# Altium PCB Gesturelink V1.PcbDoc (part 1 of 9)
Units mil, origin at the board's own origin, x right, y up, seen from the top; angles counter-clockwise.
Board outline 1574.8 x 1377.95 mil, 12 copper layers (SIG_1, GND_1, HI_SPEED_SIG_1, HI_SPEED_SIG_2, GND_2, PWR_1, PWR_2, GND_3, SIG_2, SIG_3, GND, SIG_4), stack 76.312 mil thick; 506 components, 440 nets, 2250 pads, 1330 vias.
Unrouted connection lines stored in the file: 20.
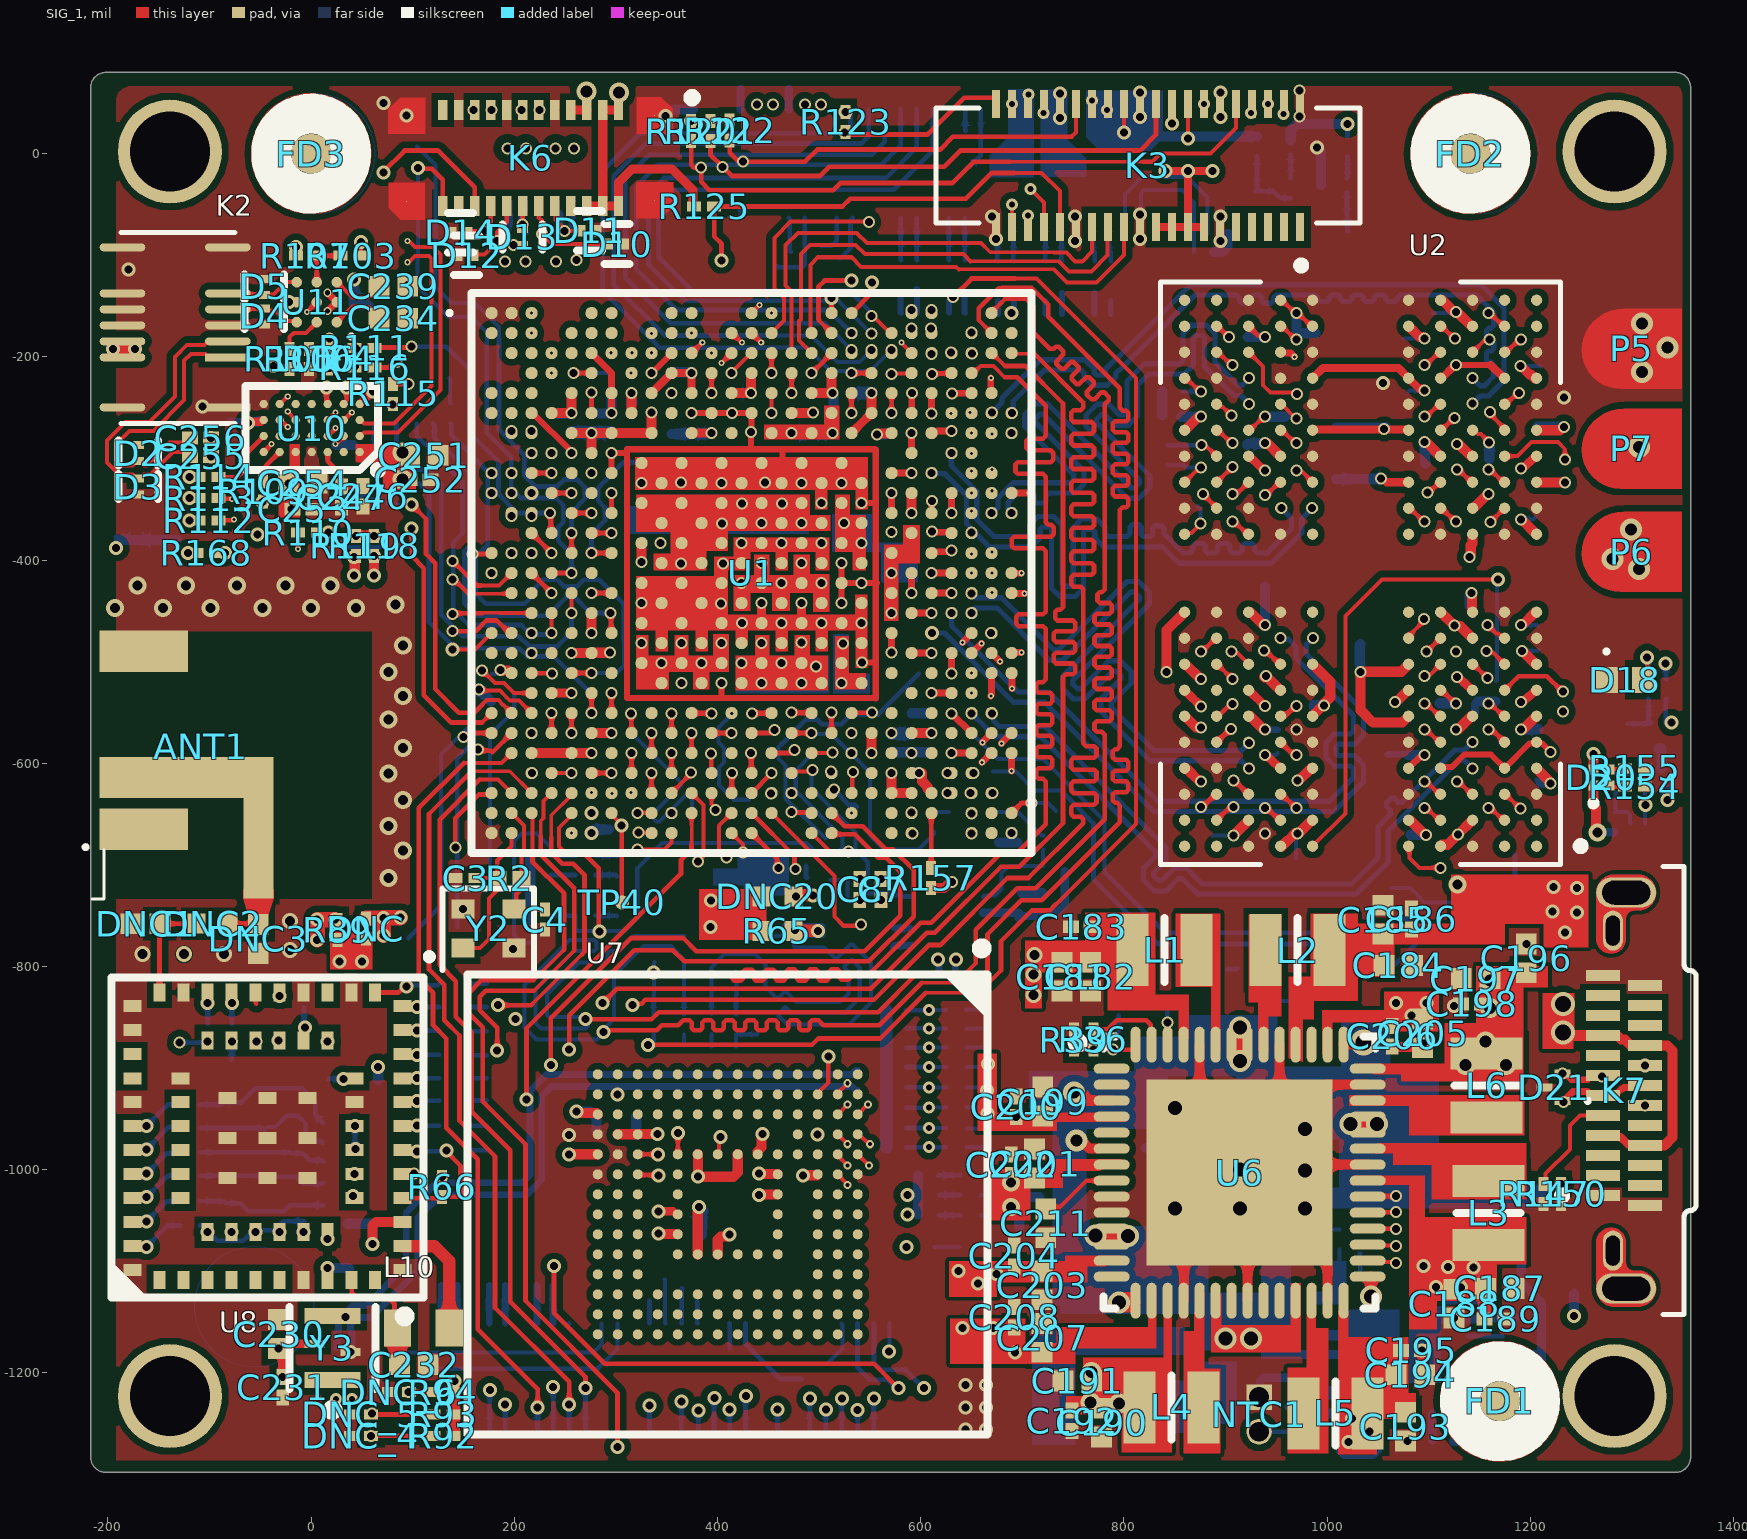
[diagram p0: SIG_1 view]
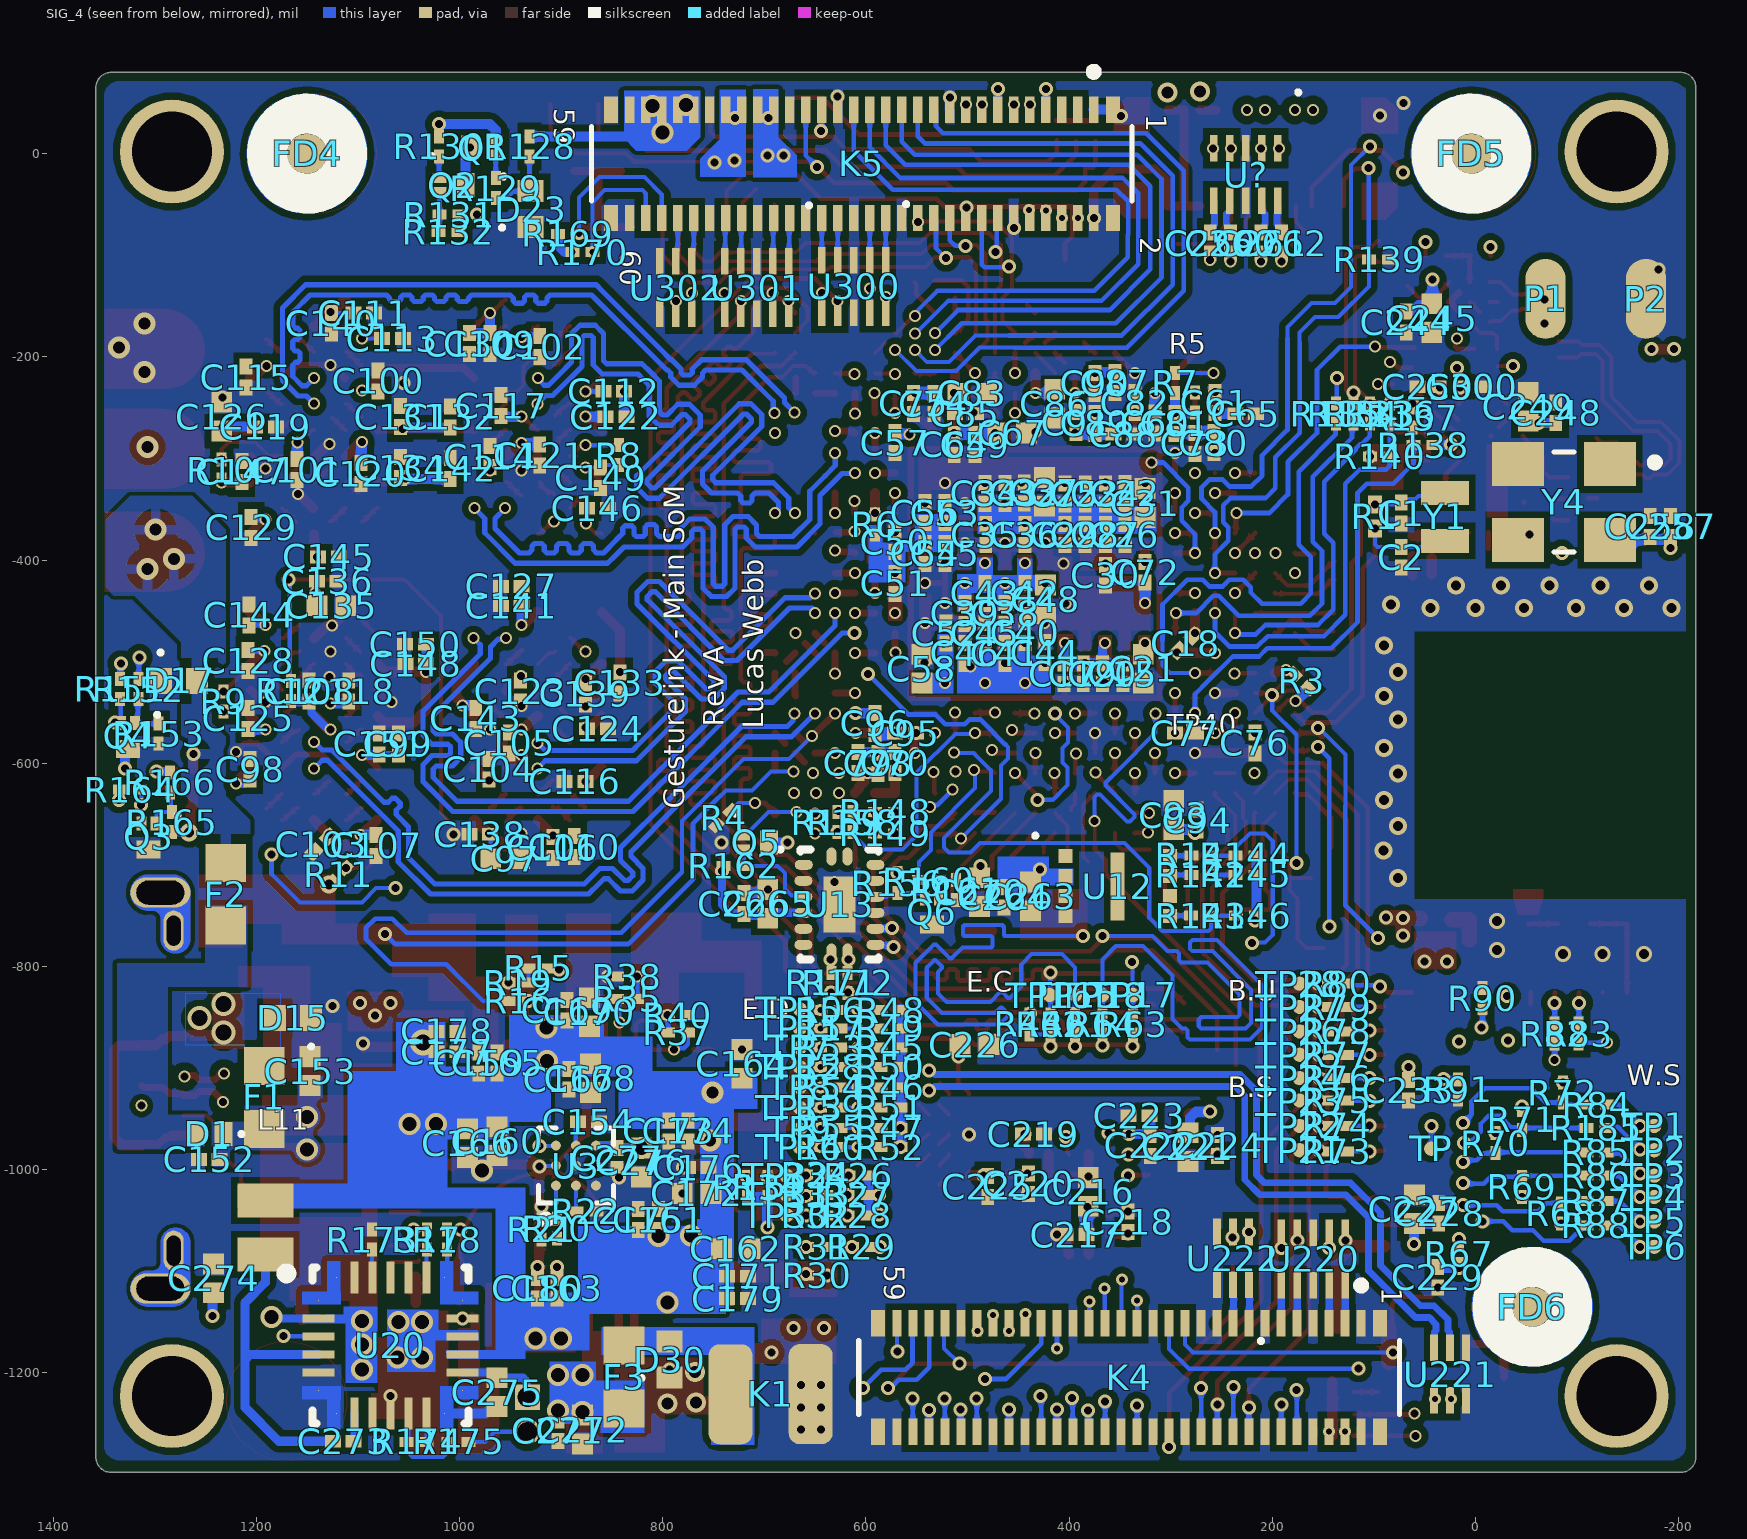
[diagram p1: SIG_4 view, seen from below]
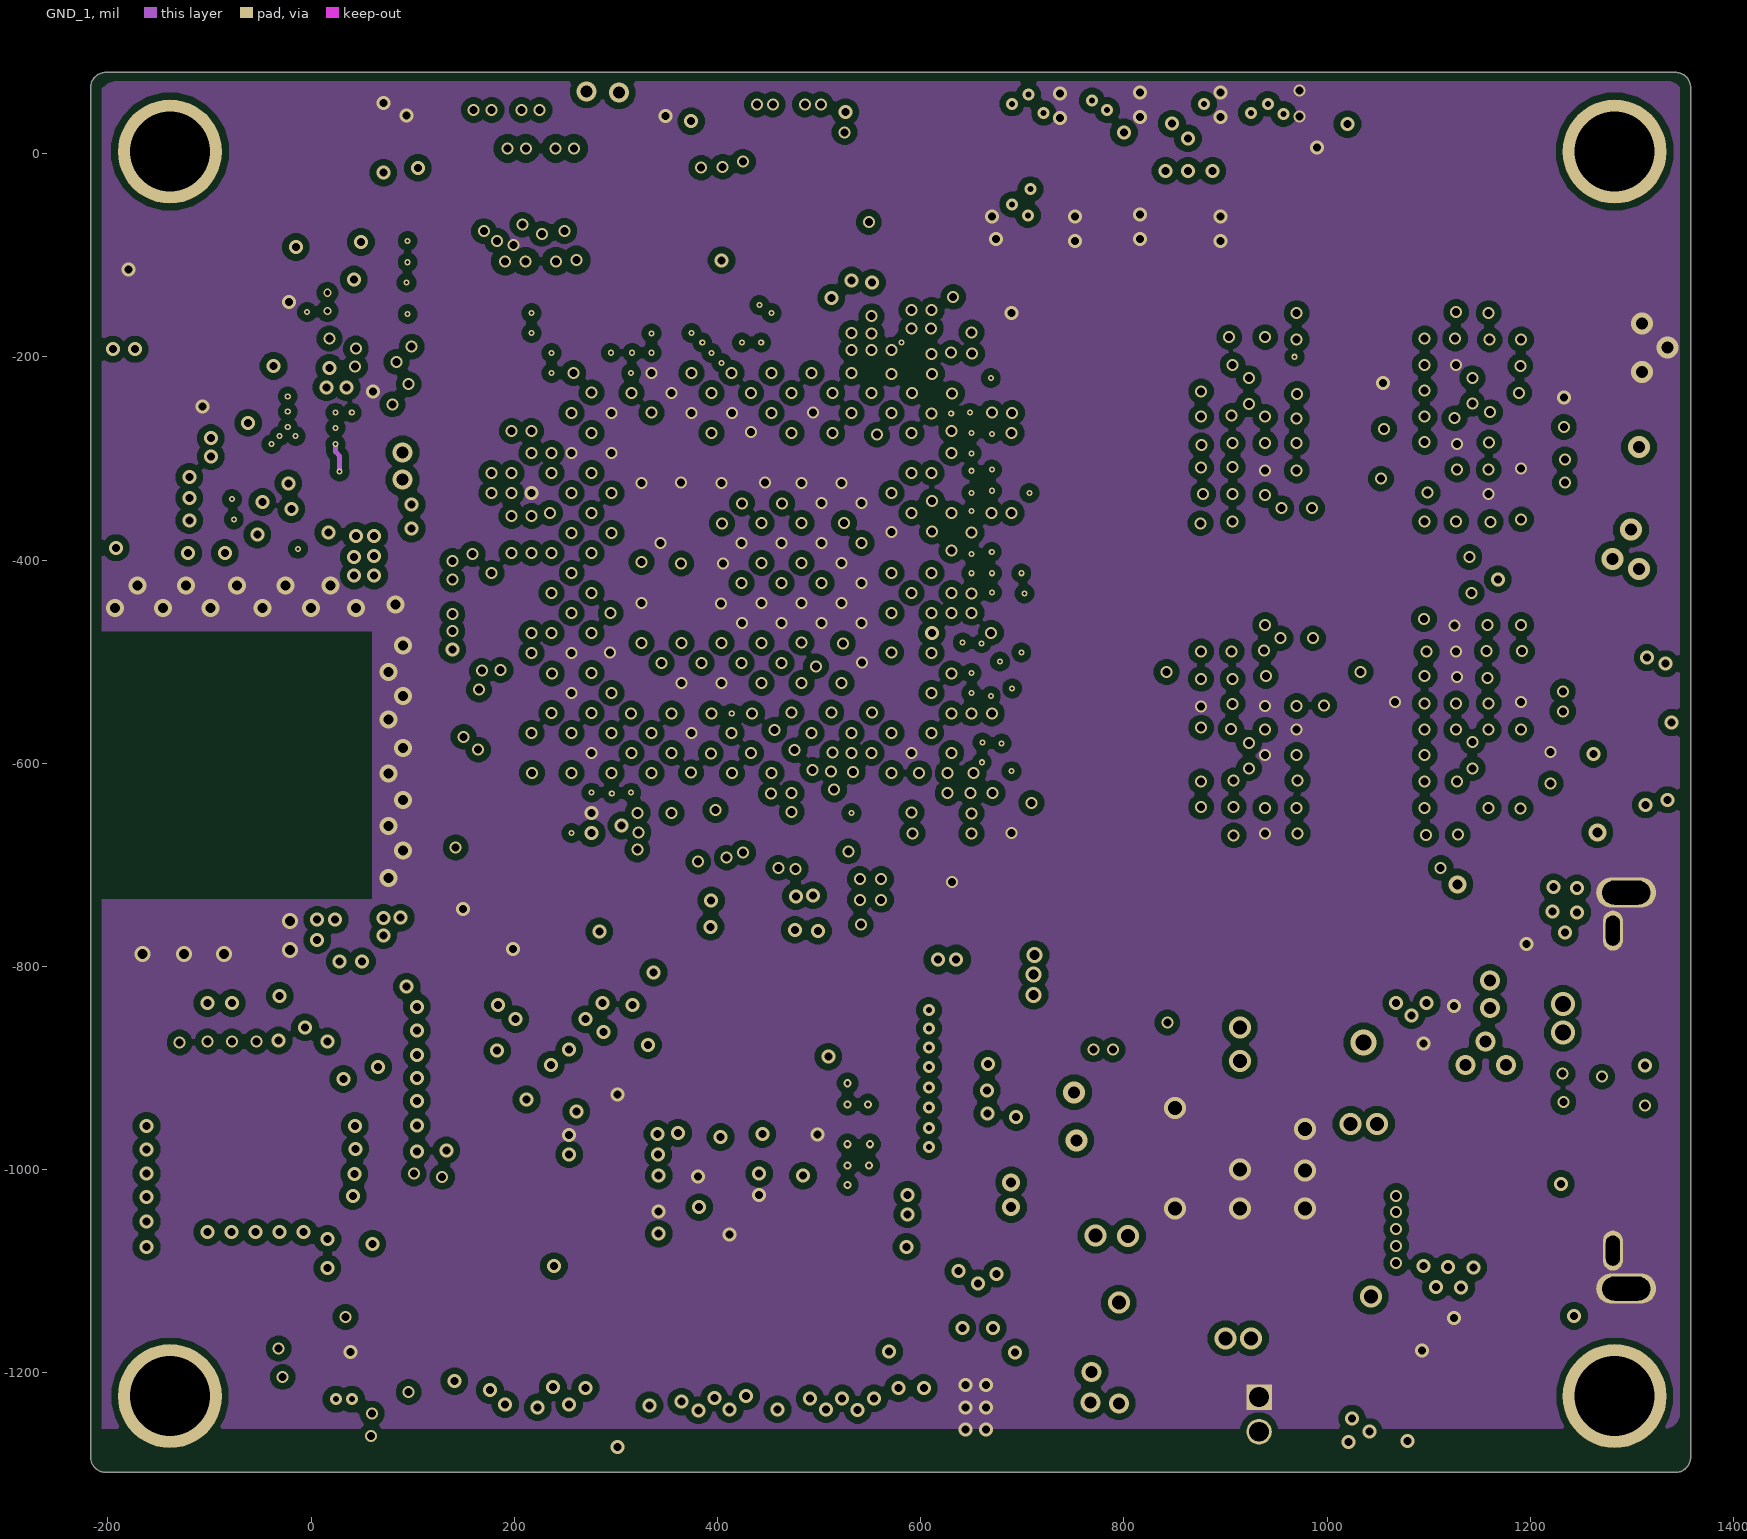
[diagram p2: GND_1]
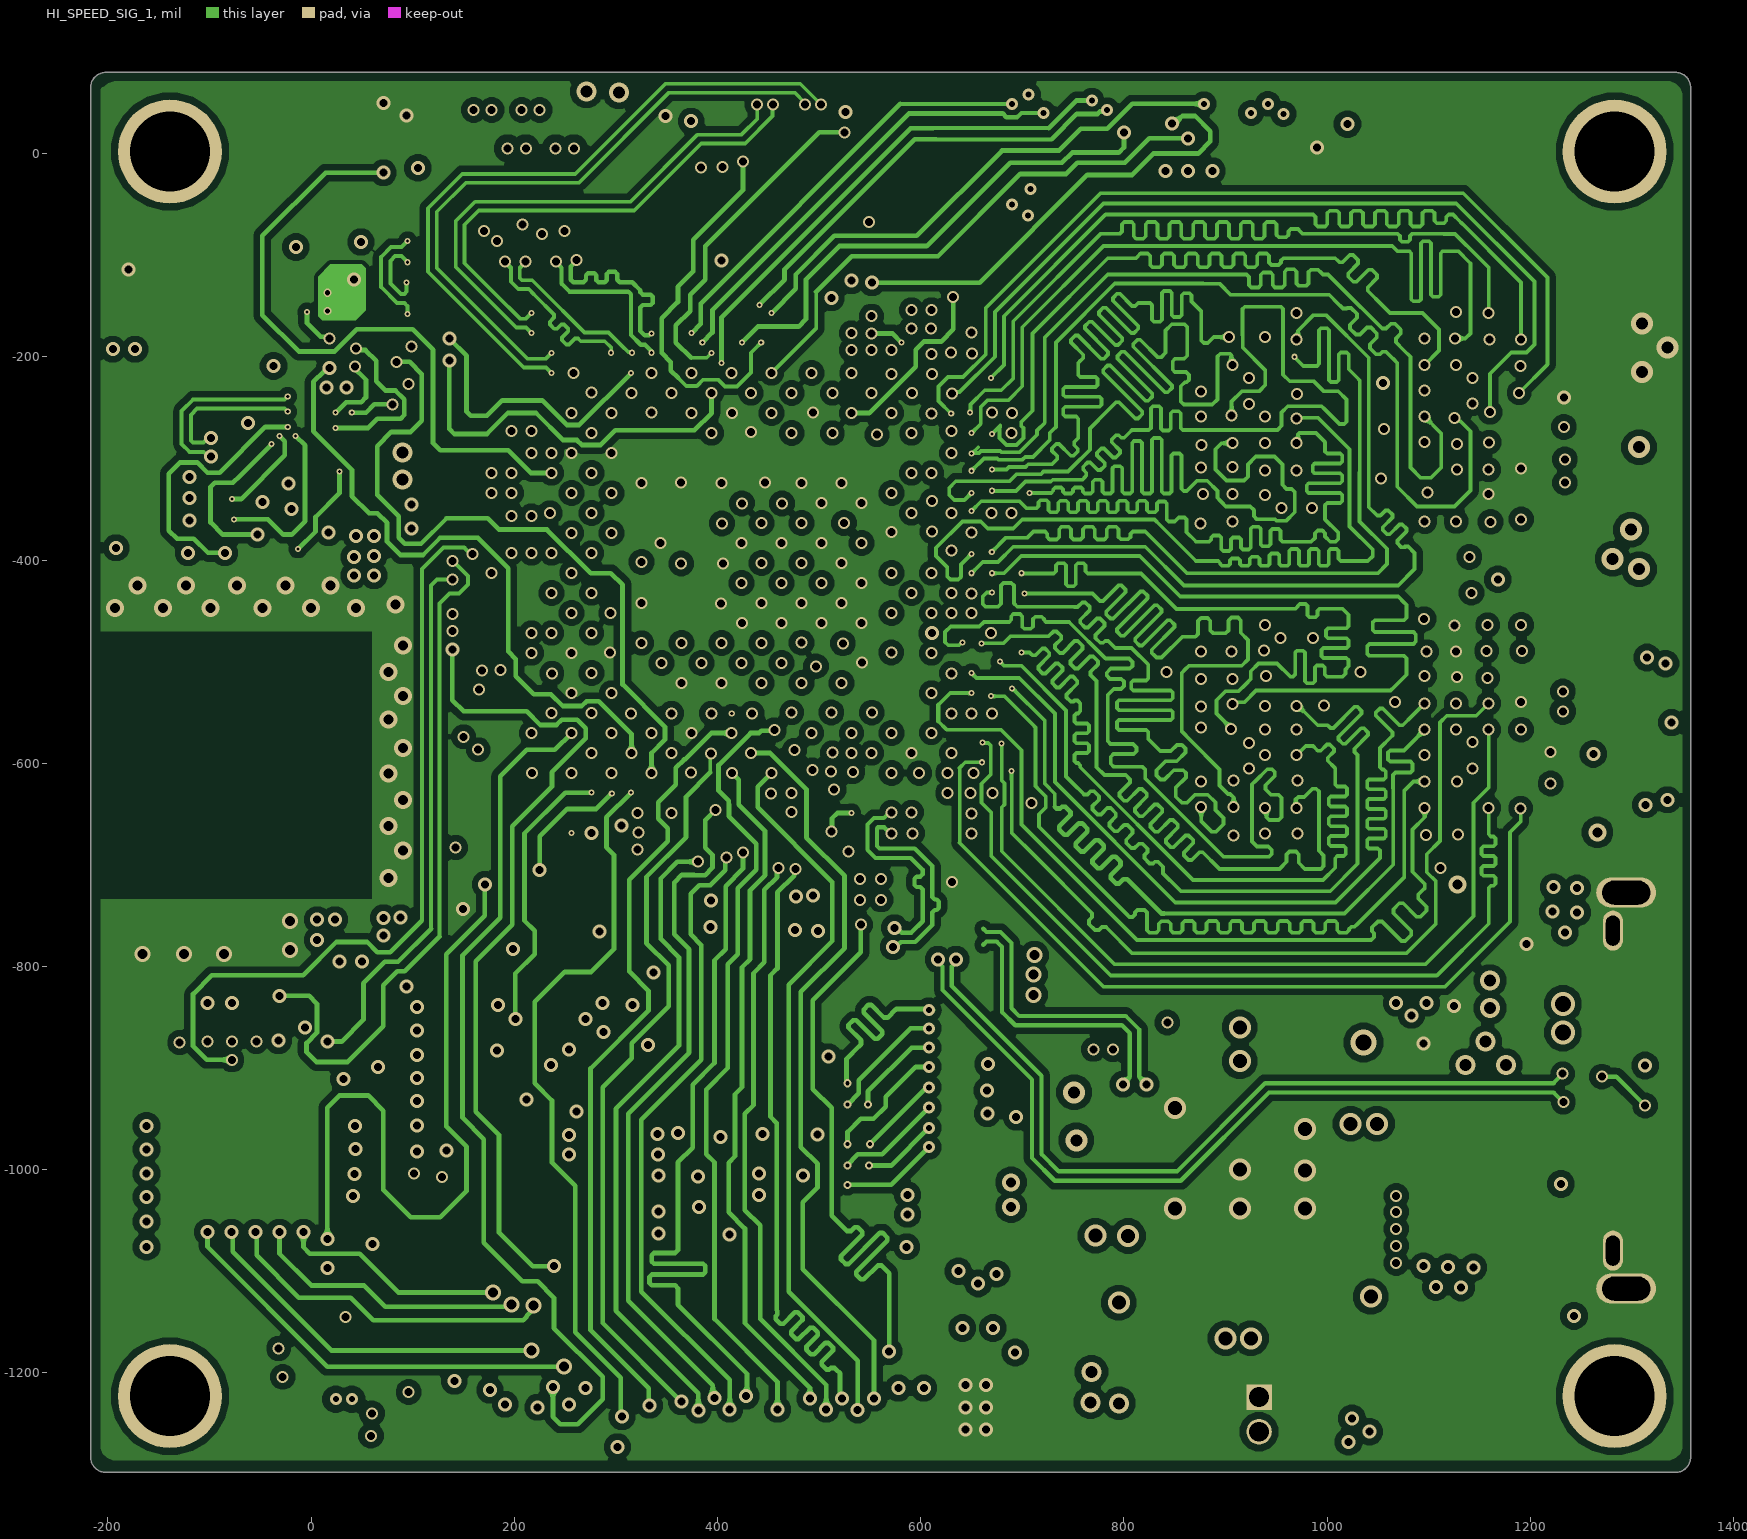
[diagram p3: HI_SPEED_SIG_1]
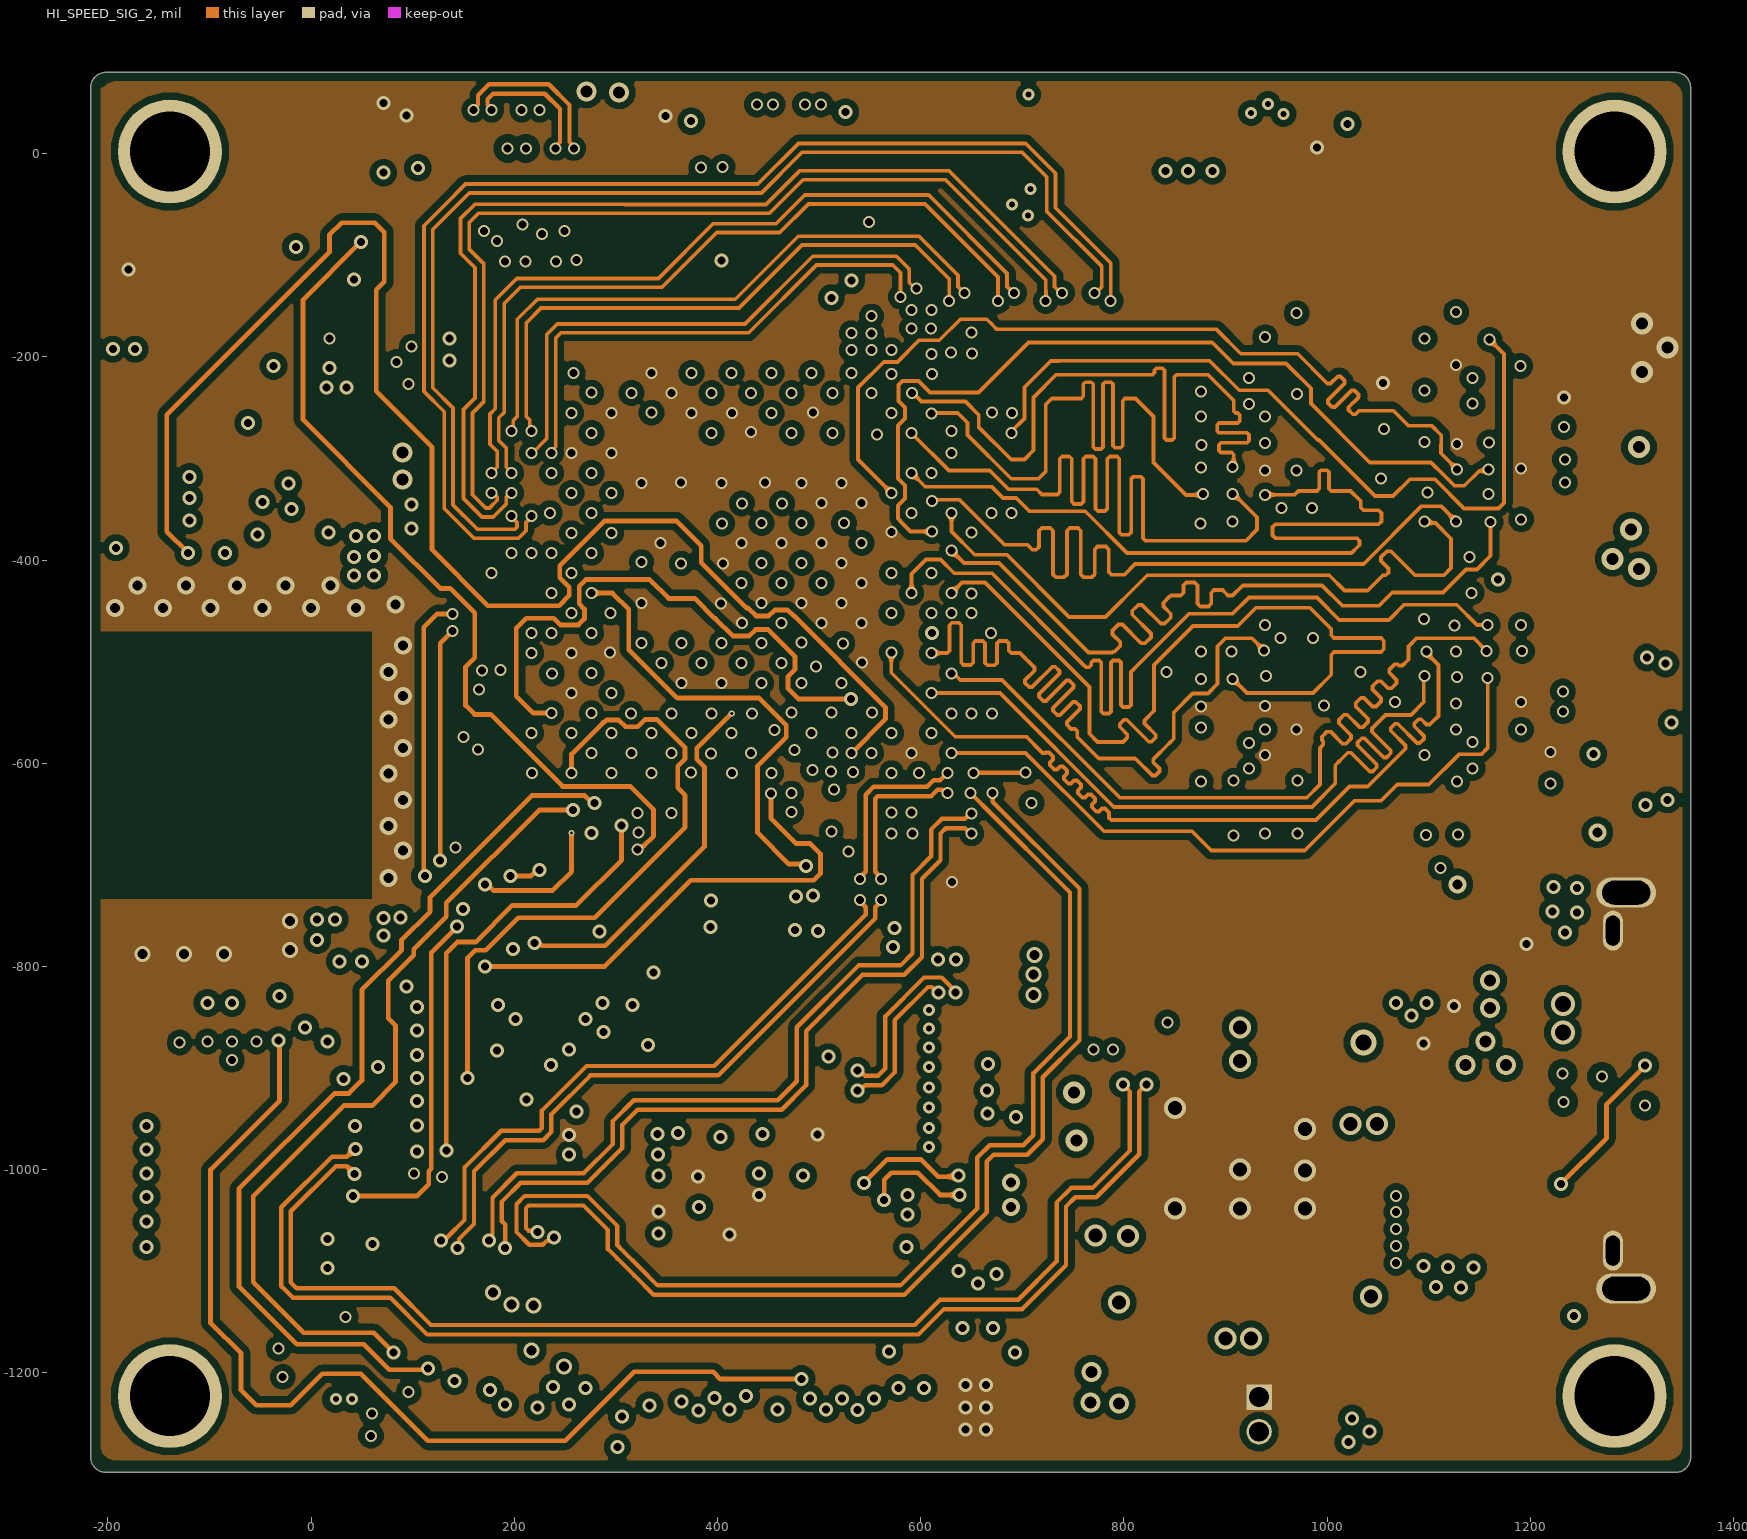
[diagram p4: HI_SPEED_SIG_2]
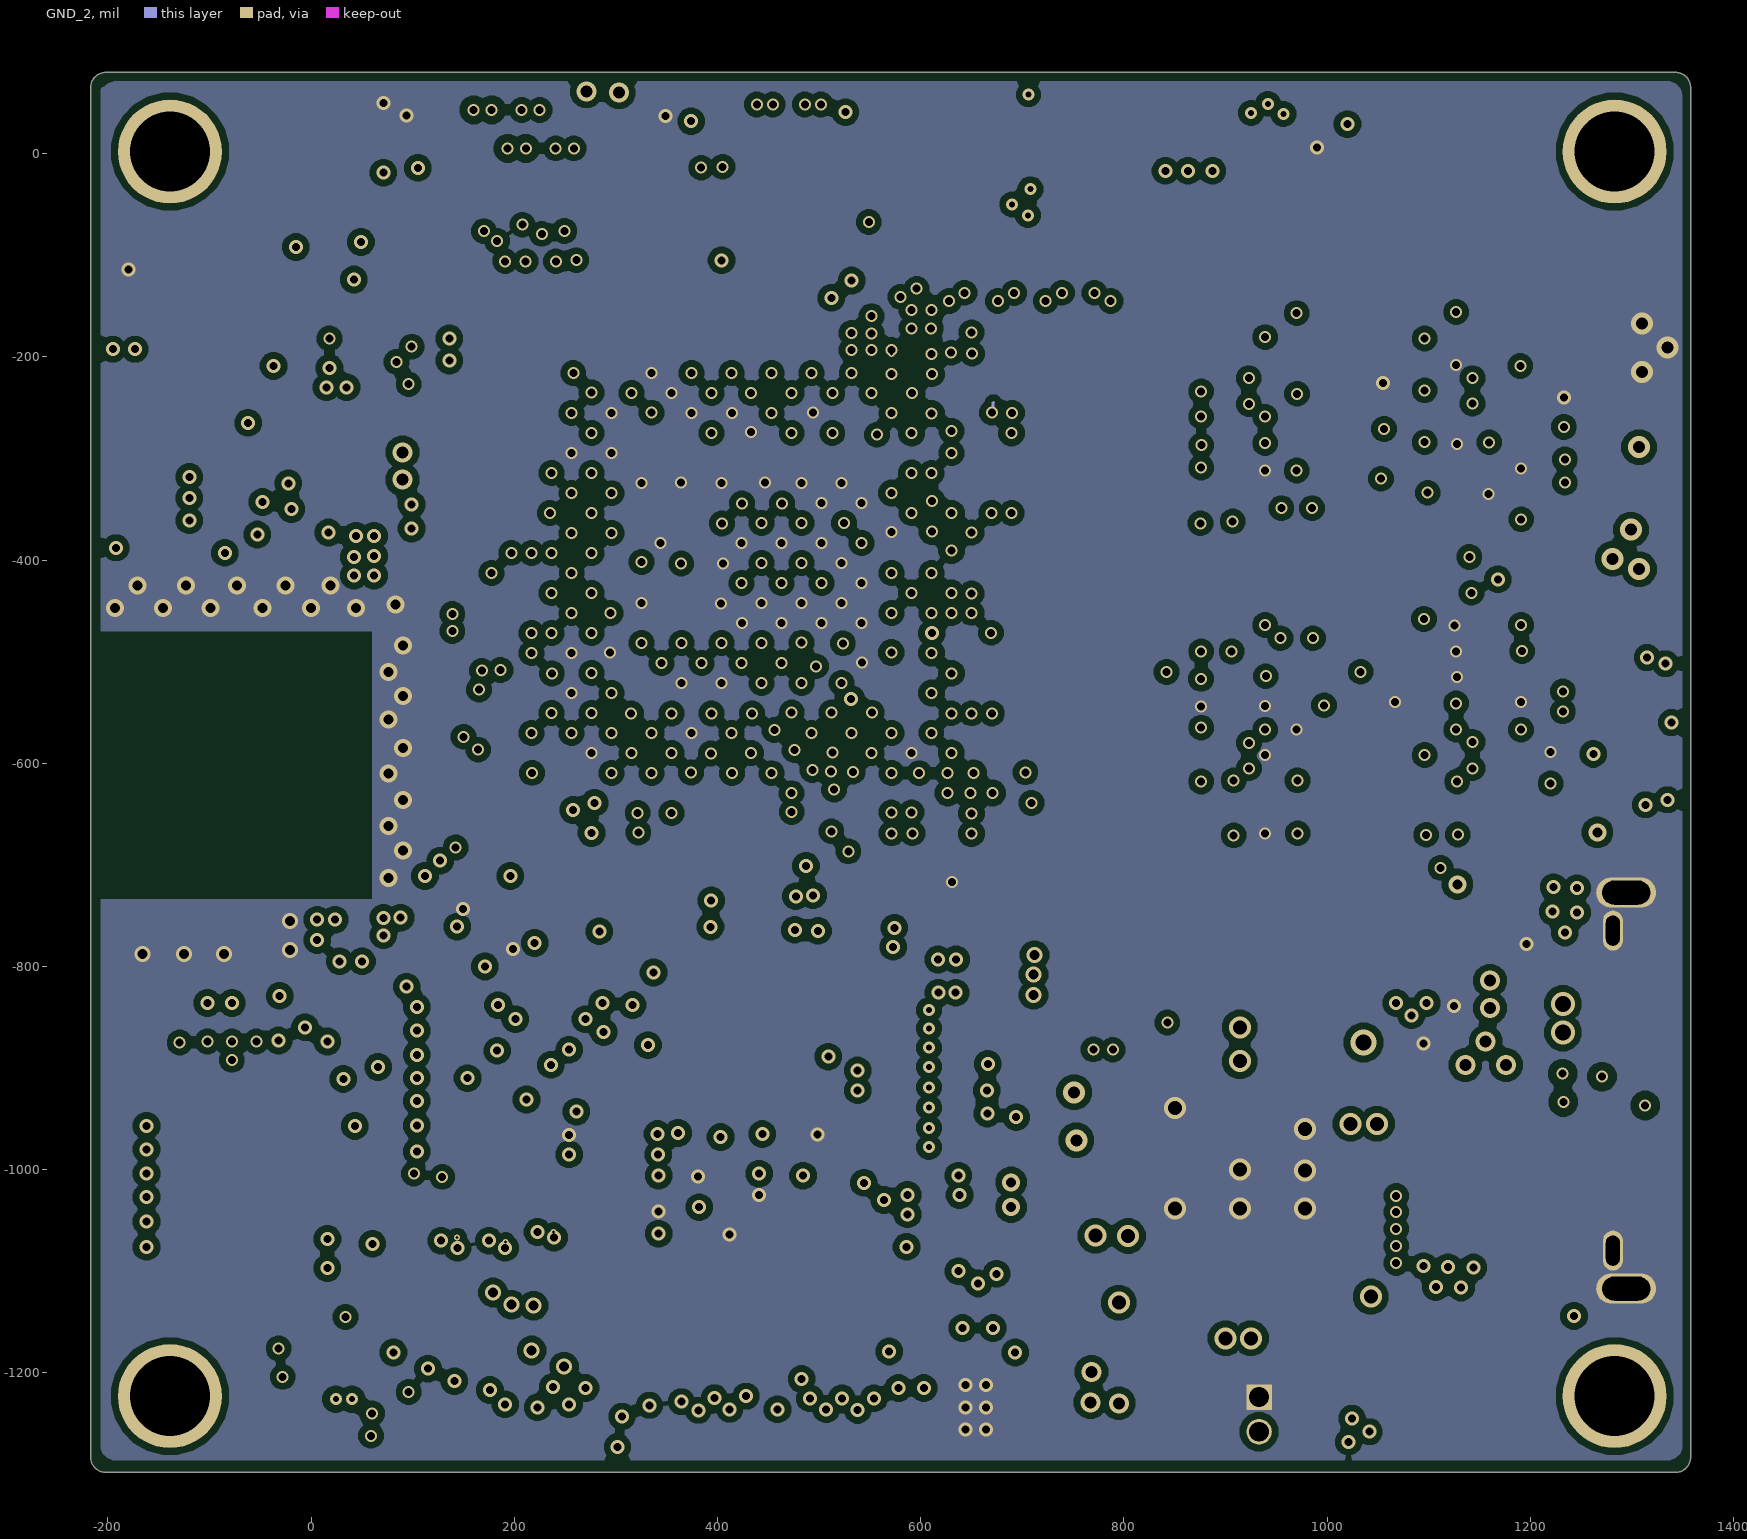
[diagram p5: GND_2]
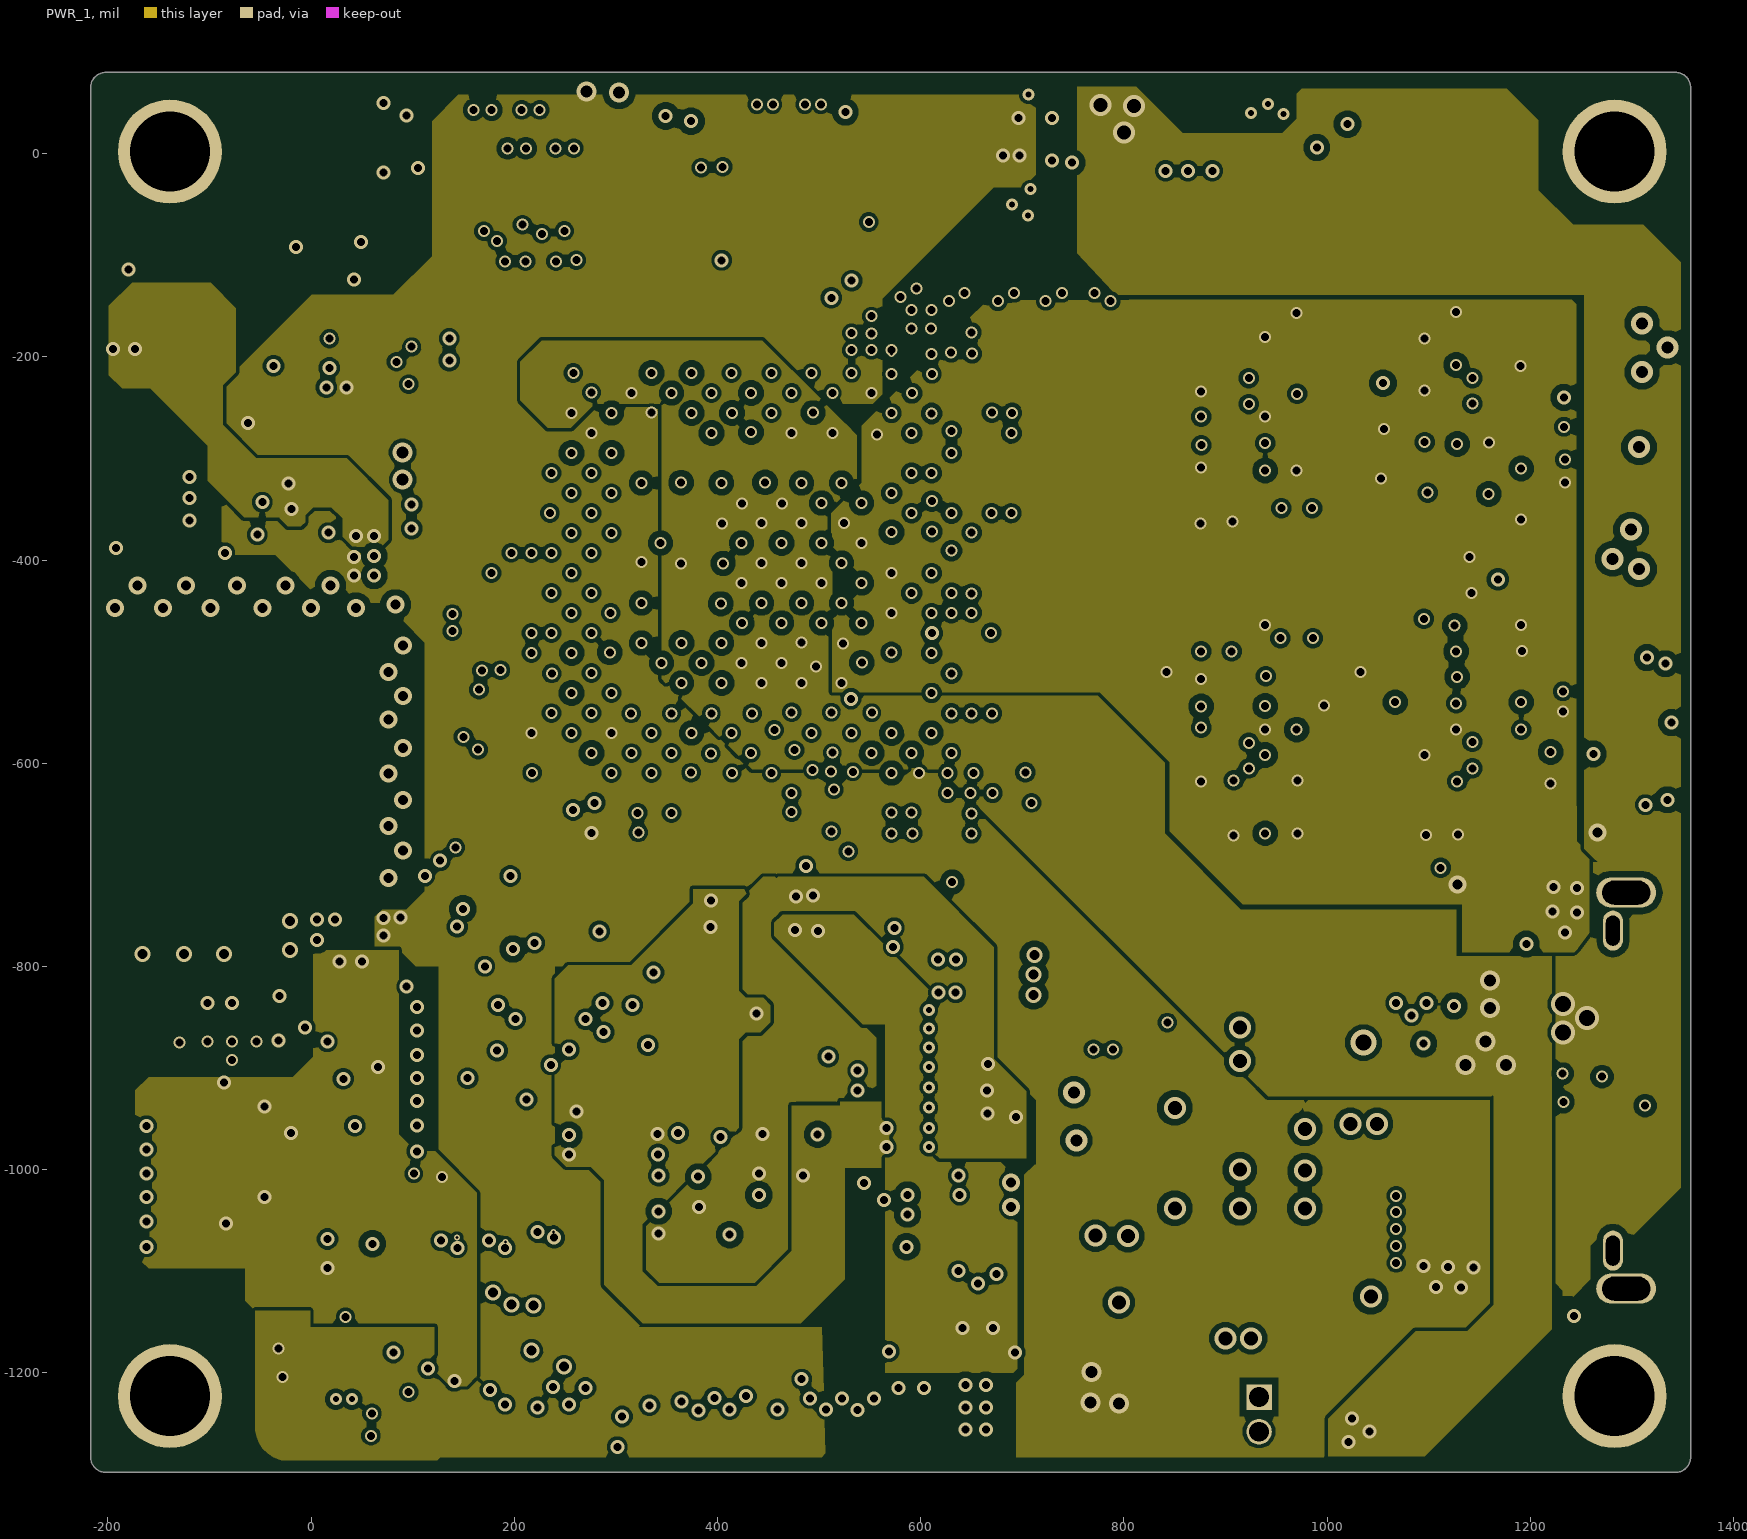
[diagram p6: PWR_1]